# KiCad board paws60.kicad_pcb (continued)
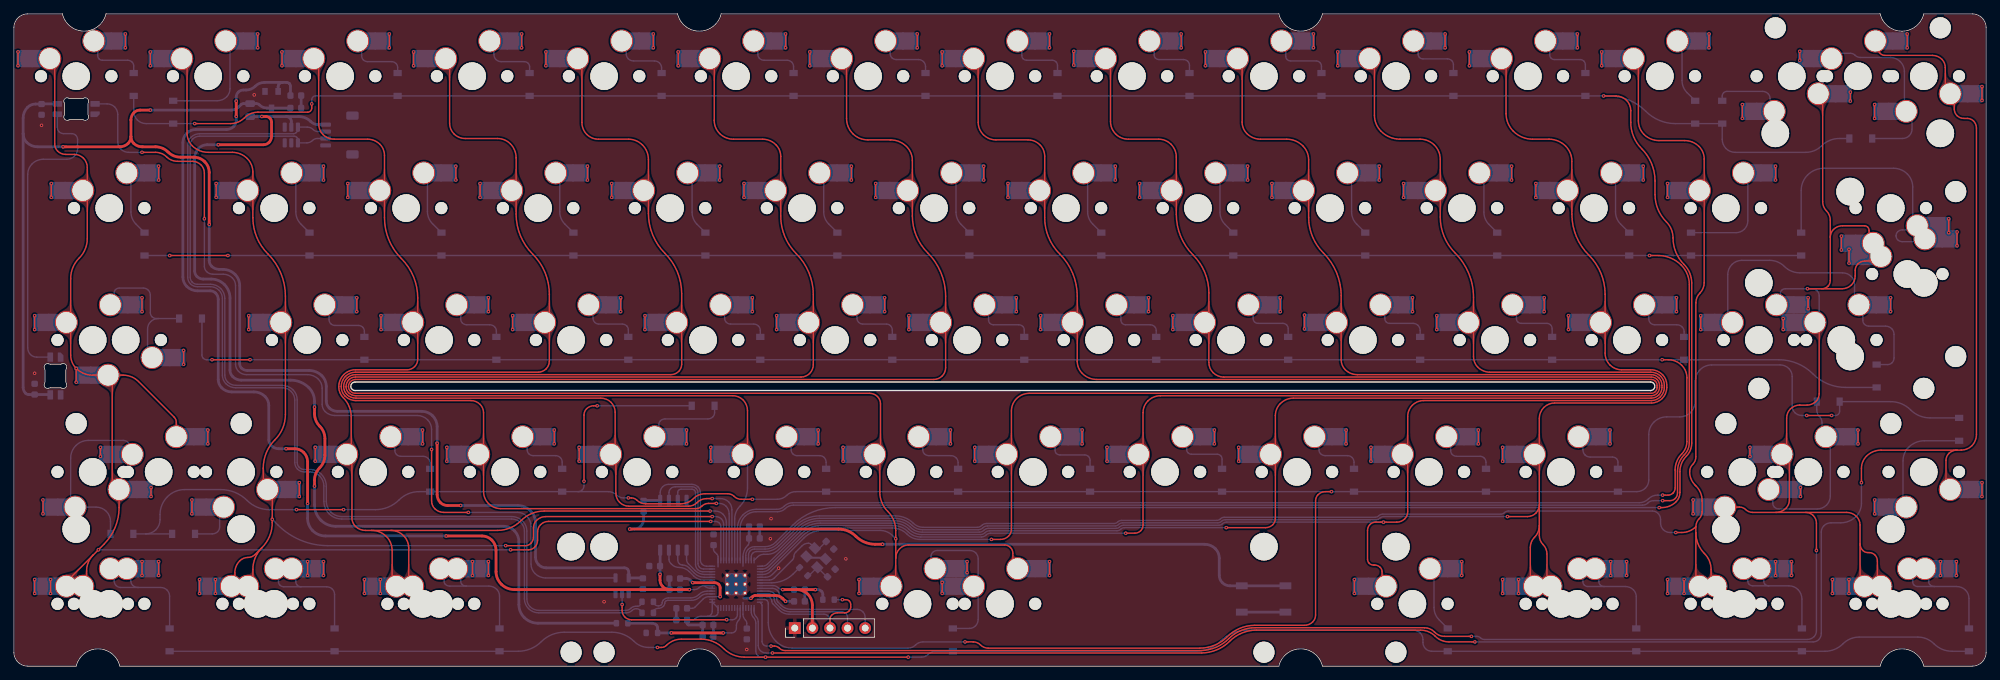
[diagram p0: board, top side]
## Routing (per net, layer and track width the routed paths; a pad name or vN(x,y) marks a point on that pad's centre or on a via; arc(x,y) is an arc through that point) (continued)
Net-(D59-A): length 23.1
  Top w0.2: v1(68.5,15.1) v1(68.5,13.1) ; v1(66.2,15.1) v1(66.2,13.1)
  Bottom w0.2: D59.2 70.11,10.12 arc(70,10.65) 69.7,11.1 arc(69.19,11.44) 68.58,11.56 65.27,11.56 ; MX73.2 64.5,13.51 64.5,12.28 arc(64.55,12.02) 64.7,11.8 arc(64.96,11.62) 65.27,11.56 ; 65.27,11.56 62.9,11.56 arc(62.57,11.63) 62.28,11.82 arc(62.15,12.02) 62.1,12.26 62.1,13.53 MX65.2
Net-(D60-A): length 26.9
  Top w0.2: v1(134,12.1) v1(134,10.5) ; v1(137.6,15.1) v1(137.6,13.5)
  Bottom w0.2: D60.2 137.94,5.45 arc(138.41,5.54) 138.81,5.81 arc(139.1,6.24) 139.2,6.75 139.2,10.88 MX74.1 139.2,12.2 139.2,15.49 arc(139.11,15.96) 138.84,16.36 arc(138.46,16.61) 138.02,16.7 133.29,16.7 arc(132.93,16.63) 132.62,16.42 arc(132.46,16.18) 132.4,15.88 132.4,14.66 MX66.2
Net-(D61-A): length 11.6
  Top w0.2: v1(209,15.1) v1(209,13.1)
  Bottom w0.2: MX67.2 205,13.5 205,8.47 arc(205.19,7.51) 205.73,6.7 D61.2
Net-(D62-A): length 22.9
  Top w0.2: v1(230.5,15.1) v1(230.5,13.1) ; v1(232.8,15.1) v1(232.8,13.1)
  Bottom w0.2: MX75.2 226.5,13.43 226.5,12.17 arc(226.55,11.92) 226.69,11.71 arc(226.92,11.55) 227.19,11.5 229.56,11.5 ; MX68.2 228.8,13.51 228.8,12.19 arc(228.85,11.95) 228.99,11.74 arc(229.25,11.56) 229.56,11.5 ; 229.56,11.5 232.61,11.5 arc(233.25,11.37) 233.79,11.01 arc(234.09,10.56) 234.19,10.03 D62.2
Net-(D63-A): length 22.7
  Top w0.2: v1(254.3,15.1) v1(254.3,13.1) ; v1(256.6,15.1) v1(256.6,13.1)
  Bottom w0.2: 253.33,11.6 251.01,11.6 arc(250.72,11.66) 250.48,11.82 arc(250.35,12.02) 250.3,12.26 250.3,13.45 MX76.2 ; 253.33,11.6 256.23,11.6 arc(256.94,11.46) 257.54,11.06 arc(257.96,10.43) 258.11,9.7 D63.2 ; 253.33,11.6 arc(253.03,11.66) 252.76,11.84 arc(252.64,12.02) 252.6,12.23 252.6,13.53 MX69.2
Net-(D64-A): length 23.3
  Top w0.2: v1(278.1,15.1) v1(278.1,13.1) ; v1(280.4,15.1) v1(280.4,13.1)
  Bottom w0.2: MX70.2 276.4,13.54 276.4,12.22 arc(276.45,11.98) 276.58,11.77 arc(276.88,11.57) 277.24,11.5 ; 277.24,11.5 280.45,11.5 arc(281.14,11.36) 281.73,10.97 arc(282.09,10.43) 282.22,9.79 D64.2 ; 277.24,11.5 274.8,11.5 arc(274.52,11.56) 274.28,11.72 arc(274.15,11.92) 274.1,12.16 274.1,13.46 MX77.2
Net-(LED1-DOUT): length 45.5
  Bottom w0.2: LED1.2 6.28,77.77 arc(6.34,77.45) 6.52,77.18 arc(6.83,76.97) 7.2,76.9 8.36,76.9 arc(8.67,76.84) 8.94,76.66 arc(9.13,76.37) 9.2,76.04 9.2,74.72 arc(9.09,74.15) 8.76,73.66 arc(8.25,73.32) 7.65,73.2 4.25,73.2 arc(3.37,73.02) 2.63,72.53 arc(2.16,71.83) 2,71.01 2,45.97 arc(2.1,45.44) 2.4,45 arc(2.82,44.72) 3.3,44.63 5.25,44.63

## Copper pours and planes (outline as drawn; the poured copper is in the pictures)
+1V1 on Bottom: 101.6,10.52 102.71,10.52 102.71,10.15 105.67,10.15 105.67,9.55 101.61,9.55
+3V3 on Top: 115.07,7.2 115.03,6.84 114.94,6.59 114.81,6.39 114.65,6.16 114.48,5.83 115.27,5.5 116.05,5.83 115.88,6.16 115.72,6.39 115.59,6.59 115.5,6.84 115.47,7.2
+3V3 on Bottom: 96.48,5.17 96.48,7.37 98.18,7.37 100.18,9.77 101.49,9.77 101.48,11.07 100.18,11.07 97.2,10.65 97.1,11.35 99.63,11.77 101.19,11.81 101.43,11.89 101.47,12 101.47,14.62 101.52,14.68 101.57,14.89 101.74,14.89 101.9,14.66 102.04,14.62 104.85,14.62 104.98,14.65 105.16,14.9 105.35,14.9 105.52,14.65 105.66,14.62 107.04,14.62 107.04,12.03 107.07,11.9 107.31,11.73 107.31,11.54 107.07,11.36 107.04,11.23 107.04,9.07 105.38,9.07 105.38,8.77 105.08,8.77 105.08,9.07 101.78,9.07 101.78,7.67 100.08,6.57 100.08,3.37 98.5,3.37 98.18,5.17
GND on Top, Bottom: 286,-0.8 -1,-0.8 -1,95.2 286,95.2
VBUS on Bottom: 35.29,79.56 35.16,79.58 35.03,79.62 34.9,79.67 34.78,79.74 34.65,79.83 34.1,79.36 34.65,78.89 34.78,78.98 34.9,79.05 35.03,79.11 35.16,79.14 35.29,79.16
/~{USB_BOOT} on Bottom: 182.2,11.4 182.3,11.37 182.4,11.33 182.5,11.27 182.6,11.19 182.7,11.1 183.55,11.6 182.7,12.1 182.6,12.01 182.5,11.93 182.4,11.87 182.3,11.83 182.2,11.8
/~{USB_BOOT} on Bottom: 178.6,11.8 178.5,11.83 178.4,11.87 178.3,11.93 178.2,12.01 178.1,12.1 177.25,11.6 178.1,11.1 178.2,11.19 178.3,11.27 178.4,11.33 178.5,11.37 178.6,11.4
/~{USB_BOOT} on Bottom: 175.9,11.4 176,11.37 176.1,11.33 176.2,11.27 176.3,11.19 176.4,11.1 177.25,11.6 176.4,12.1 176.3,12.01 176.2,11.93 176.1,11.87 176,11.83 175.9,11.8
Col0 on Top: 10.7,65.54 10.75,66.23 10.88,66.73 11.07,67.14 11.29,67.58 11.52,68.18 9.95,68.69 8.62,67.72 9.11,67.23 9.61,66.91 10.06,66.63 10.38,66.22 10.5,65.54
Col0 on Top: 11.37,41.92 11.78,41.84 12.01,41.62 12.16,41.32 12.34,40.99 12.63,40.69 13.6,42.02 12.63,43.35 12.34,43.05 12.16,42.72 12.01,42.42 11.78,42.2 11.37,42.12
Col0 on Top: 15.29,22.9 15.37,23.4 15.57,23.71 15.86,23.94 16.19,24.18 16.53,24.54 15.19,25.51 13.86,24.54 14.19,24.18 14.53,23.94 14.81,23.71 15.02,23.4 15.09,22.9
Col0 on Top: 10.4,13.75 10.31,13.38 10.08,13.21 9.74,13.13 9.36,13.06 8.98,12.87 9.95,11.54 11.29,12.51 11.07,12.77 10.88,12.96 10.73,13.15 10.64,13.4 10.6,13.75
Col0 on Top: 15.78,42.12 15.49,42.17 15.32,42.3 15.2,42.49 15.09,42.73 14.94,42.99 13.6,42.02 14.94,41.05 15.09,41.31 15.2,41.55 15.32,41.74 15.49,41.87 15.78,41.92
Col0 on Top: 23.35,35.24 23.3,34.97 23.16,34.8 22.97,34.7 22.73,34.61 22.48,34.46 23.45,33.13 24.42,34.46 24.16,34.61 23.93,34.7 23.73,34.8 23.6,34.97 23.55,35.24
Col0 on Top: 14.3,38.84 14.35,39.54 14.49,40.04 14.7,40.46 14.93,40.9 15.17,41.51 13.6,42.02 12.27,41.05 12.75,40.56 13.24,40.23 13.67,39.94 13.98,39.52 14.1,38.84
Col0 on Top: 10.5,71.84 10.38,71.16 10.06,70.75 9.61,70.47 9.11,70.15 8.62,69.66 9.95,68.69 11.52,69.2 11.29,69.8 11.07,70.24 10.88,70.65 10.75,71.15 10.7,71.84
Col0 on Top: 9.46,14.2 8.96,13.77 8.54,13.52 8.13,13.38 7.66,13.27 7.06,13.11 7.57,11.54 9.22,11.54 9.17,12.16 9.1,12.67 9.08,13.12 9.22,13.56 9.6,14.06
Col0 on Top: 8.3,46.48 8.35,47.18 8.48,47.67 8.68,48.08 8.9,48.53 9.14,49.13 7.57,49.64 6.24,48.67 6.72,48.18 7.22,47.86 7.66,47.57 7.98,47.16 8.1,46.48
Col0 on Top: 8.1,52.8 7.98,52.12 7.66,51.71 7.22,51.42 6.72,51.1 6.24,50.61 7.57,49.64 9.14,50.15 8.9,50.75 8.68,51.2 8.48,51.61 8.35,52.1 8.3,52.8
Col0 on Top: 6,84.62 6.04,85.3 6.16,85.79 6.33,86.2 6.53,86.64 6.76,87.23 5.19,87.74 3.88,86.75 4.38,86.27 4.89,85.97 5.35,85.69 5.67,85.3 5.8,84.62
Col0 on Top: 14.1,28.47 14.08,27.84 14.03,27.38 13.94,26.99 13.81,26.57 13.62,26.02 15.19,25.51 16.16,26.84 15.62,27.15 15.12,27.35 14.69,27.56 14.41,27.89 14.3,28.47
Col1 on Top: 31.8,13.49 31.75,13.27 31.6,13.18 31.39,13.16 31.14,13.15 30.87,13.11 31.38,11.54 32.72,12.51 32.52,12.72 32.33,12.87 32.16,13.01 32.04,13.2 32,13.49
Col1 on Top: 39.1,52.78 38.98,52.1 38.65,51.7 38.2,51.42 37.7,51.11 37.2,50.62 38.53,49.64 40.1,50.15 39.87,50.74 39.65,51.19 39.47,51.6 39.35,52.09 39.3,52.78
Col1 on Top: 34.4,13.93 34.3,13.5 34.04,13.29 33.66,13.19 33.23,13.09 32.8,12.87 33.77,11.54 35.33,12.05 35.15,12.48 34.95,12.8 34.78,13.08 34.65,13.43 34.6,13.93
Col1 on Top: 37.4,22.38 37.45,23.06 37.57,23.55 37.75,23.96 37.96,24.41 38.19,25 36.62,25.51 35.3,24.53 35.79,24.04 36.3,23.73 36.75,23.45 37.08,23.05 37.2,22.38
Col1 on Top: 25.1,84.65 25.14,85.32 25.24,85.8 25.4,86.21 25.59,86.65 25.81,87.23 24.24,87.74 22.94,86.73 23.45,86.26 23.97,85.97 24.44,85.71 24.77,85.32 24.9,84.65
Col1 on Top: 35.9,28.6 35.85,27.92 35.71,27.44 35.51,27.04 35.29,26.61 35.05,26.02 36.62,25.51 37.96,26.48 37.48,26.96 36.98,27.26 36.54,27.54 36.22,27.94 36.1,28.6
Col1 on Top: 34.6,65.59 34.64,66.26 34.75,66.75 34.91,67.15 35.11,67.59 35.33,68.18 33.77,68.69 32.46,67.69 32.96,67.22 33.48,66.92 33.94,66.65 34.27,66.26 34.4,65.59
Col1 on Top: 34.4,71.36 34.31,70.87 34.05,70.6 33.69,70.43 33.25,70.28 32.8,70.02 33.77,68.69 35.33,69.2 35.14,69.69 34.94,70.05 34.77,70.39 34.65,70.79 34.6,71.36
Col1 on Top: 39.3,46.5 39.35,47.19 39.47,47.68 39.65,48.09 39.87,48.54 40.1,49.13 38.53,49.64 37.2,48.66 37.7,48.17 38.2,47.86 38.65,47.58 38.98,47.18 39.1,46.5
Col2 on Top: 44.1,84.62 44.14,85.3 44.26,85.79 44.43,86.2 44.63,86.64 44.86,87.23 43.29,87.74 41.98,86.75 42.48,86.27 42.99,85.97 43.45,85.69 43.77,85.3 43.9,84.62
Col2 on Top: 58.4,46.53 58.44,47.21 58.55,47.69 58.72,48.1 58.92,48.54 59.15,49.13 57.58,49.64 56.27,48.64 56.77,48.17 57.29,47.87 57.75,47.6 58.07,47.2 58.2,46.53
Col2 on Top: 56.9,14.72 56.85,14.02 56.7,13.52 56.49,13.11 56.25,12.66 56.01,12.05 57.58,11.54 58.91,12.51 58.43,13 57.95,13.33 57.52,13.63 57.22,14.05 57.1,14.72
Col2 on Top: 53.4,71.82 53.28,71.15 52.95,70.74 52.5,70.46 51.99,70.16 51.5,69.67 52.82,68.69 54.38,69.2 54.16,69.79 53.94,70.24 53.77,70.65 53.64,71.14 53.6,71.82
Col2 on Top: 48.9,27.49 48.94,28.17 49.05,28.65 49.21,29.06 49.4,29.5 49.62,30.08 48.05,30.59 46.75,29.59 47.26,29.11 47.78,28.82 48.24,28.55 48.57,28.16 48.7,27.49
Col2 on Top: 53.6,65.56 53.64,66.24 53.77,66.73 53.94,67.14 54.16,67.59 54.38,68.18 52.82,68.69 51.5,67.71 51.99,67.22 52.5,66.92 52.95,66.64 53.28,66.23 53.4,65.56
Col2 on Top: 48.6,33.74 48.48,33.06 48.16,32.65 47.71,32.37 47.21,32.05 46.72,31.56 48.05,30.59 49.62,31.1 49.39,31.7 49.17,32.14 48.98,32.55 48.85,33.05 48.8,33.74
Col2 on Top: 54.5,14.72 54.45,14.02 54.31,13.52 54.1,13.1 53.87,12.66 53.63,12.05 55.2,11.54 56.53,12.51 56.05,13 55.56,13.33 55.13,13.62 54.82,14.04 54.7,14.72
Col2 on Top: 58.2,52.75 58.07,52.08 57.75,51.68 57.29,51.41 56.77,51.11 56.27,50.64 57.58,49.64 59.15,50.15 58.92,50.74 58.72,51.18 58.55,51.59 58.44,52.07 58.4,52.75
Col3 on Top: 72.4,71.85 72.28,71.17 71.96,70.76 71.52,70.47 71.02,70.15 70.53,69.66 71.87,68.69 73.43,69.2 73.2,69.8 72.97,70.25 72.78,70.66 72.65,71.15 72.6,71.85
Col3 on Top: 67.7,33.71 67.58,33.04 67.25,32.64 66.8,32.36 66.28,32.06 65.79,31.58 67.1,30.59 68.67,31.1 68.45,31.69 68.24,32.13 68.06,32.54 67.94,33.03 67.9,33.71
Col3 on Top: 63,84.55 63.06,85.25 63.21,85.75 63.42,86.17 63.66,86.62 63.91,87.23 62.34,87.74 61.01,86.77 61.48,86.28 61.96,85.95 62.39,85.65 62.69,85.23 62.8,84.55
Col3 on Top: 77.4,46.5 77.45,47.19 77.57,47.68 77.75,48.09 77.97,48.54 78.2,49.13 76.63,49.64 75.3,48.66 75.8,48.17 76.3,47.86 76.75,47.58 77.08,47.18 77.2,46.5
Col3 on Top: 67.9,27.47 67.94,28.15 68.06,28.64 68.24,29.05 68.45,29.49 68.67,30.08 67.1,30.59 65.79,29.6 66.28,29.12 66.8,28.82 67.25,28.54 67.58,28.14 67.7,27.47
Col3 on Top: 72.6,65.53 72.65,66.23 72.78,66.72 72.97,67.13 73.2,67.58 73.43,68.18 71.87,68.69 70.53,67.72 71.02,67.23 71.52,66.91 71.96,66.62 72.28,66.21 72.4,65.53
Col3 on Top: 77.2,52.78 77.08,52.1 76.75,51.7 76.3,51.42 75.8,51.11 75.3,50.62 76.63,49.64 78.2,50.15 77.97,50.74 77.75,51.19 77.57,51.6 77.45,52.09 77.4,52.78
Col4 on Top: 87,27.49 87.04,28.17 87.15,28.65 87.31,29.06 87.5,29.5 87.72,30.08 86.15,30.59 84.85,29.59 85.36,29.11 85.88,28.82 86.34,28.55 86.67,28.16 86.8,27.49
Col4 on Top: 86.7,33.74 86.58,33.06 86.26,32.65 85.81,32.37 85.31,32.05 84.82,31.56 86.15,30.59 87.72,31.1 87.49,31.7 87.27,32.14 87.08,32.55 86.95,33.05 86.9,33.74
Col4 on Top: 96.3,52.75 96.17,52.08 95.85,51.68 95.39,51.41 94.87,51.11 94.37,50.64 95.68,49.64 97.25,50.15 97.02,50.74 96.82,51.18 96.65,51.59 96.54,52.07 96.5,52.75
Col4 on Top: 91.7,65.56 91.74,66.24 91.87,66.73 92.04,67.14 92.26,67.59 92.48,68.18 90.92,68.69 89.6,67.71 90.09,67.22 90.6,66.92 91.05,66.64 91.38,66.23 91.5,65.56
Col4 on Top: 91.5,71.82 91.38,71.15 91.05,70.74 90.6,70.46 90.09,70.16 89.6,69.67 90.92,68.69 92.48,69.2 92.26,69.79 92.04,70.24 91.87,70.65 91.74,71.14 91.7,71.82
Col4 on Top: 82.1,84.57 82.15,85.27 82.29,85.77 82.49,86.18 82.72,86.63 82.96,87.23 81.39,87.74 80.06,86.77 80.54,86.28 81.03,85.96 81.47,85.66 81.78,85.25 81.9,84.57
Col4 on Top: 96.5,46.53 96.54,47.21 96.65,47.69 96.82,48.1 97.02,48.54 97.25,49.13 95.68,49.64 94.37,48.64 94.87,48.17 95.39,47.87 95.85,47.6 96.17,47.2 96.3,46.53
Col5 on Top: 115.3,52.78 115.18,52.1 114.85,51.7 114.4,51.42 113.9,51.11 113.4,50.62 114.73,49.64 116.3,50.15 116.07,50.74 115.85,51.19 115.67,51.6 115.55,52.09 115.5,52.78
Col5 on Top: 105.8,33.71 105.68,33.04 105.35,32.64 104.9,32.36 104.38,32.06 103.89,31.58 105.2,30.59 106.77,31.1 106.55,31.69 106.34,32.13 106.16,32.54 106.04,33.03 106,33.71
Col5 on Top: 115.5,46.5 115.55,47.19 115.67,47.68 115.85,48.09 116.07,48.54 116.3,49.13 114.73,49.64 113.4,48.66 113.9,48.17 114.4,47.86 114.85,47.58 115.18,47.18 115.3,46.5
Col5 on Top: 101.2,84.6 101.25,85.29 101.37,85.78 101.56,86.19 101.78,86.63 102.01,87.23 100.44,87.74 99.11,86.76 99.6,86.27 100.11,85.96 100.56,85.68 100.88,85.27 101,84.6
Col5 on Top: 110.6,71.79 110.47,71.12 110.14,70.73 109.68,70.46 109.16,70.16 108.66,69.69 109.97,68.69 111.53,69.2 111.31,69.79 111.11,70.23 110.95,70.63 110.84,71.12 110.8,71.79
Col5 on Top: 110.8,65.59 110.84,66.26 110.95,66.75 111.11,67.15 111.31,67.59 111.53,68.18 109.97,68.69 108.66,67.69 109.16,67.22 109.68,66.92 110.14,66.65 110.47,66.26 110.6,65.59
Col5 on Bottom: 106,27.47 106.04,28.15 106.16,28.64 106.34,29.05 106.55,29.49 106.77,30.08 105.2,30.59 103.89,29.6 104.38,29.12 104.9,28.82 105.35,28.54 105.68,28.14 105.8,27.47
Col6 on Top: 134.4,52.75 134.27,52.08 133.95,51.68 133.49,51.41 132.97,51.11 132.47,50.64 133.78,49.64 135.35,50.15 135.12,50.74 134.92,51.18 134.75,51.59 134.64,52.07 134.6,52.75
Col6 on Top: 127.2,14.68 127.08,14 126.76,13.6 126.31,13.32 125.8,13.01 125.31,12.52 126.63,11.54 128.2,12.05 127.97,12.64 127.75,13.09 127.57,13.5 127.45,13.99 127.4,14.68
Col6 on Top: 125,33.64 124.91,33.06 124.65,32.7 124.27,32.46 123.8,32.23 123.28,31.92 124.25,30.59 125.82,31.1 125.62,31.67 125.45,32.1 125.31,32.5 125.23,32.98 125.2,33.64
Col6 on Top: 125.1,27.49 125.14,28.17 125.25,28.65 125.41,29.06 125.6,29.5 125.82,30.08 124.25,30.59 122.95,29.59 123.46,29.11 123.98,28.82 124.44,28.55 124.77,28.16 124.9,27.49
Col6 on Top: 144.1,16.32 144.04,15.85 143.9,15.54 143.71,15.28 143.5,14.99 143.32,14.59 144.89,14.08 145.86,15.41 145.44,15.61 145.03,15.68 144.66,15.75 144.4,15.92 144.3,16.32
Col6 on Top: 129.6,71.82 129.48,71.15 129.15,70.74 128.7,70.46 128.19,70.16 127.7,69.67 129.02,68.69 130.58,69.2 130.36,69.79 130.14,70.24 129.97,70.65 129.84,71.14 129.8,71.82
Col6 on Top: 120.3,84.62 120.34,85.3 120.46,85.79 120.63,86.2 120.83,86.64 121.06,87.23 119.49,87.74 118.18,86.75 118.68,86.27 119.19,85.97 119.65,85.69 119.97,85.3 120.1,84.62
Col6 on Top: 129.8,65.56 129.84,66.24 129.97,66.73 130.14,67.14 130.36,67.59 130.58,68.18 129.02,68.69 127.7,67.71 128.19,67.22 128.7,66.92 129.15,66.64 129.48,66.23 129.6,65.56
Col6 on Top: 134.6,46.53 134.64,47.21 134.75,47.69 134.92,48.1 135.12,48.54 135.35,49.13 133.78,49.64 132.47,48.64 132.97,48.17 133.49,47.87 133.95,47.6 134.27,47.2 134.4,46.53
Col7 on Top: 153.6,46.5 153.65,47.19 153.77,47.68 153.95,48.09 154.17,48.54 154.4,49.13 152.83,49.64 151.5,48.66 152,48.17 152.5,47.86 152.95,47.58 153.28,47.18 153.4,46.5
Col7 on Top: 144.1,27.47 144.14,28.15 144.26,28.64 144.44,29.05 144.65,29.49 144.87,30.08 143.3,30.59 141.99,29.6 142.48,29.12 143,28.82 143.45,28.54 143.78,28.14 143.9,27.47
Col7 on Top: 153.4,52.78 153.28,52.1 152.95,51.7 152.5,51.42 152,51.11 151.5,50.62 152.83,49.64 154.4,50.15 154.17,50.74 153.95,51.19 153.77,51.6 153.65,52.09 153.6,52.78
Col7 on Top: 143.9,33.71 143.78,33.04 143.45,32.64 143,32.36 142.48,32.06 141.99,31.58 143.3,30.59 144.87,31.1 144.65,31.69 144.44,32.13 144.26,32.54 144.14,33.03 144.1,33.71
Col7 on Top: 139.3,84.6 139.35,85.29 139.47,85.78 139.66,86.19 139.88,86.63 140.11,87.23 138.54,87.74 137.21,86.76 137.7,86.27 138.21,85.96 138.66,85.68 138.98,85.27 139.1,84.6
Col7 on Top: 148.7,71.79 148.57,71.12 148.24,70.73 147.78,70.46 147.26,70.16 146.76,69.69 148.07,68.69 149.63,69.2 149.41,69.79 149.21,70.23 149.05,70.63 148.94,71.12 148.9,71.79
Col7 on Top: 148.9,65.59 148.94,66.26 149.05,66.75 149.21,67.15 149.41,67.59 149.63,68.18 148.07,68.69 146.76,67.69 147.26,67.22 147.78,66.92 148.24,66.65 148.57,66.26 148.7,65.59
Col8 on Top: 162.9,33.74 162.78,33.06 162.46,32.65 162.01,32.37 161.51,32.05 161.02,31.56 162.35,30.59 163.92,31.1 163.69,31.7 163.47,32.14 163.28,32.55 163.15,33.05 163.1,33.74
Col8 on Top: 163.1,27.44 163.15,28.13 163.28,28.63 163.47,29.04 163.69,29.48 163.92,30.08 162.35,30.59 161.02,29.62 161.51,29.13 162.01,28.81 162.46,28.53 162.78,28.12 162.9,27.44
Col8 on Top: 167.9,65.56 167.94,66.24 168.07,66.73 168.24,67.14 168.46,67.59 168.68,68.18 167.12,68.69 165.8,67.71 166.29,67.22 166.8,66.92 167.25,66.64 167.58,66.23 167.7,65.56
Col8 on Top: 167.7,71.82 167.58,71.15 167.25,70.74 166.8,70.46 166.29,70.16 165.8,69.67 167.12,68.69 168.68,69.2 168.46,69.79 168.24,70.24 168.07,70.65 167.94,71.14 167.9,71.82
Col8 on Top: 172.6,46.48 172.65,47.17 172.79,47.67 172.98,48.08 173.21,48.53 173.45,49.13 171.88,49.64 170.54,48.67 171.03,48.18 171.53,47.86 171.97,47.57 172.28,47.16 172.4,46.48
Col8 on Top: 158.4,84.62 158.44,85.3 158.56,85.79 158.73,86.2 158.93,86.64 159.16,87.23 157.59,87.74 156.28,86.75 156.78,86.27 157.29,85.97 157.75,85.69 158.07,85.3 158.2,84.62
Col8 on Top: 172.4,52.8 172.28,52.12 171.97,51.71 171.53,51.42 171.03,51.1 170.54,50.61 171.88,49.64 173.45,50.15 173.21,50.75 172.98,51.2 172.79,51.61 172.65,52.11 172.6,52.8
Col9 on Top: 182.2,27.47 182.24,28.15 182.36,28.64 182.54,29.05 182.75,29.49 182.97,30.08 181.4,30.59 180.09,29.6 180.58,29.12 181.1,28.82 181.55,28.54 181.88,28.14 182,27.47
Col9 on Top: 186.8,71.79 186.67,71.12 186.34,70.73 185.88,70.46 185.36,70.16 184.86,69.69 186.17,68.69 187.73,69.2 187.51,69.79 187.31,70.23 187.15,70.63 187.04,71.12 187,71.79
Col9 on Top: 177.4,84.6 177.45,85.29 177.57,85.78 177.76,86.19 177.98,86.63 178.21,87.23 176.64,87.74 175.31,86.76 175.8,86.27 176.31,85.96 176.76,85.68 177.08,85.27 177.2,84.6
Col9 on Top: 187,65.59 187.04,66.26 187.15,66.75 187.31,67.15 187.51,67.59 187.73,68.18 186.17,68.69 184.86,67.69 185.36,67.22 185.88,66.92 186.34,66.65 186.67,66.26 186.8,65.59
Col9 on Top: 191.7,46.5 191.75,47.19 191.87,47.68 192.05,48.09 192.27,48.54 192.5,49.13 190.93,49.64 189.6,48.66 190.1,48.17 190.6,47.86 191.05,47.58 191.38,47.18 191.5,46.5
Col9 on Top: 191.5,52.78 191.38,52.1 191.05,51.7 190.6,51.42 190.1,51.11 189.6,50.62 190.93,49.64 192.5,50.15 192.27,50.74 192.05,51.19 191.87,51.6 191.75,52.09 191.7,52.78
Col9 on Top: 182,33.71 181.88,33.04 181.55,32.64 181.1,32.36 180.58,32.06 180.09,31.58 181.4,30.59 182.97,31.1 182.75,31.69 182.54,32.13 182.36,32.54 182.24,33.03 182.2,33.71
Col10 on Top: 205.8,71.82 205.68,71.15 205.35,70.74 204.9,70.46 204.39,70.16 203.9,69.67 205.22,68.69 206.78,69.2 206.56,69.79 206.34,70.24 206.17,70.65 206.04,71.14 206,71.82
Col10 on Top: 206,65.56 206.04,66.24 206.17,66.73 206.34,67.14 206.56,67.59 206.78,68.18 205.22,68.69 203.9,67.71 204.39,67.22 204.9,66.92 205.35,66.64 205.68,66.23 205.8,65.56
Col10 on Top: 201.3,27.49 201.34,28.17 201.45,28.65 201.61,29.06 201.8,29.5 202.02,30.08 200.45,30.59 199.15,29.59 199.66,29.11 200.18,28.82 200.64,28.55 200.97,28.16 201.1,27.49
Col10 on Top: 197.4,13.62 197.36,13.3 197.27,13.09 197.12,12.92 196.94,12.75 196.74,12.51 198.07,11.54 199.04,12.87 198.66,13.04 198.28,13.09 197.94,13.13 197.69,13.27 197.6,13.62
Col10 on Top: 210.8,46.53 210.84,47.21 210.95,47.69 211.12,48.1 211.32,48.54 211.55,49.13 209.98,49.64 208.67,48.64 209.17,48.17 209.69,47.87 210.15,47.6 210.47,47.2 210.6,46.53
Col10 on Top: 196.5,84.62 196.54,85.3 196.66,85.79 196.83,86.2 197.03,86.64 197.26,87.23 195.69,87.74 194.38,86.75 194.88,86.27 195.39,85.97 195.85,85.69 196.17,85.3 196.3,84.62
Col10 on Top: 210.6,52.75 210.47,52.08 210.15,51.68 209.69,51.41 209.17,51.11 208.67,50.64 209.98,49.64 211.55,50.15 211.32,50.74 211.12,51.18 210.95,51.59 210.84,52.07 210.8,52.75
Col10 on Top: 201.1,33.69 200.97,33.02 200.64,32.63 200.18,32.36 199.66,32.07 199.15,31.59 200.45,30.59 202.02,31.1 201.8,31.68 201.61,32.12 201.45,32.53 201.34,33.01 201.3,33.69
Col11 on Top: 225,65.53 225.05,66.23 225.18,66.72 225.37,67.13 225.6,67.58 225.83,68.18 224.27,68.69 222.93,67.72 223.42,67.23 223.92,66.91 224.36,66.62 224.68,66.21 224.8,65.53
Col11 on Top: 224.8,71.85 224.68,71.17 224.36,70.76 223.92,70.47 223.42,70.15 222.93,69.66 224.27,68.69 225.83,69.2 225.6,69.8 225.37,70.25 225.18,70.66 225.05,71.15 225,71.85
Col11 on Top: 220.1,33.71 219.98,33.04 219.65,32.64 219.2,32.36 218.68,32.06 218.19,31.58 219.5,30.59 221.07,31.1 220.85,31.69 220.64,32.13 220.46,32.54 220.34,33.03 220.3,33.71
Col11 on Top: 220.3,27.47 220.34,28.15 220.46,28.64 220.64,29.05 220.85,29.49 221.07,30.08 219.5,30.59 218.19,29.6 218.68,29.12 219.2,28.82 219.65,28.54 219.98,28.14 220.1,27.47
Col11 on Top: 215.5,84.6 215.55,85.29 215.67,85.78 215.86,86.19 216.08,86.63 216.31,87.23 214.74,87.74 213.41,86.76 213.9,86.27 214.41,85.96 214.86,85.68 215.18,85.27 215.3,84.6
Col11 on Top: 218.8,14.71 218.75,14.01 218.61,13.52 218.41,13.1 218.17,12.65 217.93,12.05 219.5,11.54 220.84,12.51 220.35,13 219.86,13.32 219.43,13.62 219.12,14.03 219,14.71
Col11 on Top: 229.6,52.78 229.48,52.1 229.15,51.7 228.7,51.42 228.2,51.11 227.7,50.62 229.03,49.64 230.6,50.15 230.37,50.74 230.15,51.19 229.97,51.6 229.85,52.09 229.8,52.78
Col11 on Top: 229.8,46.5 229.85,47.19 229.97,47.68 230.15,48.09 230.37,48.54 230.6,49.13 229.03,49.64 227.7,48.66 228.2,48.17 228.7,47.86 229.15,47.58 229.48,47.18 229.6,46.5
Col11 on Top: 221.2,14.72 221.15,14.02 221,13.52 220.8,13.11 220.56,12.66 220.31,12.05 221.88,11.54 223.22,12.51 222.74,13 222.25,13.33 221.82,13.63 221.52,14.04 221.4,14.72
Col12 on Top: 244.9,13.93 244.85,13.43 244.71,13.08 244.52,12.8 244.32,12.48 244.13,12.05 245.7,11.54 246.67,12.87 246.24,13.09 245.82,13.19 245.45,13.3 245.2,13.51 245.1,13.93
Col12 on Top: 244.1,65.56 244.14,66.24 244.27,66.73 244.44,67.14 244.66,67.59 244.88,68.18 243.32,68.69 242,67.71 242.49,67.22 243,66.92 243.45,66.64 243.78,66.23 243.9,65.56
Col12 on Top: 234.6,84.62 234.64,85.3 234.76,85.79 234.93,86.2 235.13,86.64 235.36,87.23 233.79,87.74 232.48,86.75 232.98,86.27 233.49,85.97 233.95,85.69 234.27,85.3 234.4,84.62
Col12 on Top: 242.7,14.76 242.64,14.04 242.48,13.54 242.25,13.12 242,12.67 241.75,12.05 243.32,11.54 244.65,12.51 244.18,13.01 243.71,13.34 243.3,13.65 243.01,14.08 242.9,14.76
Col12 on Top: 243.9,71.82 243.78,71.15 243.45,70.74 243,70.46 242.49,70.16 242,69.67 243.32,68.69 244.88,69.2 244.66,69.79 244.44,70.24 244.27,70.65 244.14,71.14 244.1,71.82
Col13 on Top: 266.4,14.7 266.35,14 266.22,13.51 266.02,13.1 265.79,12.65 265.56,12.05 267.13,11.54 268.46,12.51 267.98,13 267.48,13.32 267.04,13.61 266.72,14.02 266.6,14.7
Col13 on Top: 268.9,14.76 268.84,14.04 268.68,13.54 268.45,13.12 268.19,12.67 267.94,12.05 269.51,11.54 270.84,12.51 270.37,13.01 269.9,13.34 269.5,13.65 269.21,14.08 269.1,14.76
Col13 on Top: 268.91,58.43 269.31,58.88 269.55,59.25 269.7,59.61 269.81,60.03 269.97,60.56 268.4,61.07 267.43,59.74 267.88,59.49 268.36,59.3 268.76,59.12 268.94,58.89 268.77,58.57
Col13 on Top: 267.21,58.4 267.7,58.34 268.02,58.2 268.29,58 268.58,57.78 269,57.6 269.51,59.17 268.17,60.13 267.98,59.72 267.89,59.31 267.8,58.95 267.62,58.7 267.21,58.6
Col13 on Top: 261.2,79.51 261.25,80.2 261.38,80.69 261.57,81.1 261.79,81.55 262.03,82.15 260.46,82.66 259.13,81.69 259.62,81.2 260.12,80.88 260.56,80.59 260.88,80.19 261,79.51
Col13 on Top: 260.7,46.47 260.75,47.17 260.89,47.67 261.08,48.08 261.31,48.53 261.55,49.13 259.98,49.64 258.65,48.67 259.13,48.18 259.63,47.86 260.07,47.57 260.38,47.15 260.5,46.47
Col13 on Top: 256.4,27.71 256.41,28.32 256.44,28.77 256.51,29.15 256.62,29.55 256.79,30.08 255.22,30.59 254.25,29.26 254.8,28.96 255.33,28.79 255.78,28.6 256.08,28.29 256.2,27.71
Col13 on Top: 267.73,61.6 268.07,61.12 268.15,60.69 268.06,60.25 267.93,59.76 267.86,59.17 269.51,59.16 270.02,60.73 269.48,60.89 269.06,60.99 268.7,61.12 268.32,61.34 267.87,61.74
Col13 on Top: 255.8,33.72 255.68,33.05 255.35,32.65 254.9,32.37 254.39,32.06 253.9,31.57 255.22,30.59 256.79,31.1 256.56,31.69 256.35,32.14 256.17,32.55 256.05,33.04 256,33.72
Col13 on Top: 249.12,23.07 248.84,23.12 248.67,23.25 248.56,23.44 248.45,23.68 248.3,23.94 246.97,22.97 248.3,22 248.45,22.26 248.56,22.5 248.67,22.69 248.84,22.82 249.12,22.87
Col13 on Top: 267.7,62.92 267.66,62.66 267.56,62.49 267.41,62.36 267.24,62.23 267.06,62.04 268.4,61.07 268.91,62.64 268.63,62.67 268.36,62.65 268.13,62.64 267.96,62.7 267.9,62.92
Col13 on Bottom: 260.5,52.81 260.38,52.13 260.07,51.71 259.63,51.42 259.13,51.1 258.65,50.61 259.98,49.64 261.55,50.15 261.31,50.75 261.08,51.2 260.89,51.61 260.75,52.11 260.7,52.81
Col13 on Bottom: 254.9,53.83 254.87,53.74 254.8,53.73 254.69,53.76 254.56,53.81 254.43,53.83 254.43,52.18 255.76,53.15 255.6,53.31 255.42,53.4 255.26,53.49 255.14,53.61 255.1,53.83
Col14 on Top: 269.5,88.54 269.4,88.72 269.48,88.86 269.65,88.99 269.86,89.13 270.05,89.31 268.71,90.28 268.21,88.71 268.48,88.66 268.71,88.65 268.92,88.64 269.12,88.58 269.36,88.4
Col14 on Top: 278.8,28.68 278.75,27.98 278.61,27.48 278.41,27.07 278.18,26.62 277.94,26.02 279.51,25.51 280.84,26.48 280.36,26.97 279.87,27.29 279.43,27.59 279.12,28 279,28.68
Col14 on Top: 280.2,80.45 280.23,80.8 280.32,81.04 280.46,81.23 280.64,81.43 280.84,81.69 279.51,82.66 278.54,81.33 278.93,81.14 279.32,81.07 279.67,80.99 279.91,80.82 280,80.45
Col14 on Top: 278.7,85.78 278.66,85.1 278.54,84.61 278.37,84.2 278.17,83.76 277.94,83.17 279.51,82.66 280.82,83.65 280.32,84.13 279.81,84.43 279.35,84.71 279.03,85.1 278.9,85.78
SWCLK on Bottom: 122.79,7.04 122.74,6.71 122.62,6.49 122.46,6.33 122.27,6.13 122.1,5.83 122.89,5.5 123.67,5.83 123.5,6.13 123.31,6.33 123.15,6.49 123.03,6.71 122.99,7.04
SWDIO on Bottom: 120.25,7.01 120.2,6.68 120.08,6.48 119.91,6.32 119.73,6.12 119.56,5.83 120.35,5.5 121.13,5.83 120.96,6.12 120.78,6.32 120.61,6.48 120.49,6.68 120.45,7.01
~{NRST} on Top: 117.71,6.75 117.68,6.55 117.61,6.43 117.51,6.34 117.37,6.24 117.2,6.1 117.81,5.5 118.41,6.1 118.24,6.24 118.1,6.34 118,6.43 117.93,6.55 117.91,6.75
~{NRST} on Bottom: 117.71,6.65 117.68,6.48 117.6,6.37 117.49,6.3 117.36,6.22 117.2,6.1 117.81,5.5 118.41,6.1 118.25,6.22 118.12,6.3 118.01,6.37 117.93,6.48 117.91,6.65
Net-(D1-A) on Bottom: 12.2,88.19 12.24,88.51 12.34,88.73 12.49,88.9 12.67,89.07 12.87,89.31 11.54,90.28 10.57,88.95 10.95,88.78 11.33,88.73 11.67,88.68 11.91,88.54 12,88.19
Net-(D2-A) on Bottom: 31.3,87.11 31.35,87.81 31.49,88.31 31.69,88.72 31.92,89.17 32.16,89.77 30.59,90.28 29.26,89.31 29.74,88.82 30.23,88.5 30.67,88.2 30.98,87.79 31.1,87.11
Net-(D3-A) on Bottom: 50.3,88.16 50.34,88.49 50.44,88.71 50.58,88.89 50.77,89.07 50.97,89.31 49.64,90.28 48.67,88.95 49.05,88.78 49.43,88.72 49.77,88.66 50.01,88.51 50.1,88.16
Net-(D4-A) on Bottom: 69.4,88.32 69.44,88.6 69.53,88.8 69.67,88.94 69.84,89.1 70.02,89.31 68.69,90.28 68.18,88.71 68.47,88.66 68.74,88.66 68.98,88.65 69.14,88.55 69.2,88.32
